# Altium PCB RCJ22_driverboard_2.PcbDoc (part 2 of 3) (continued)
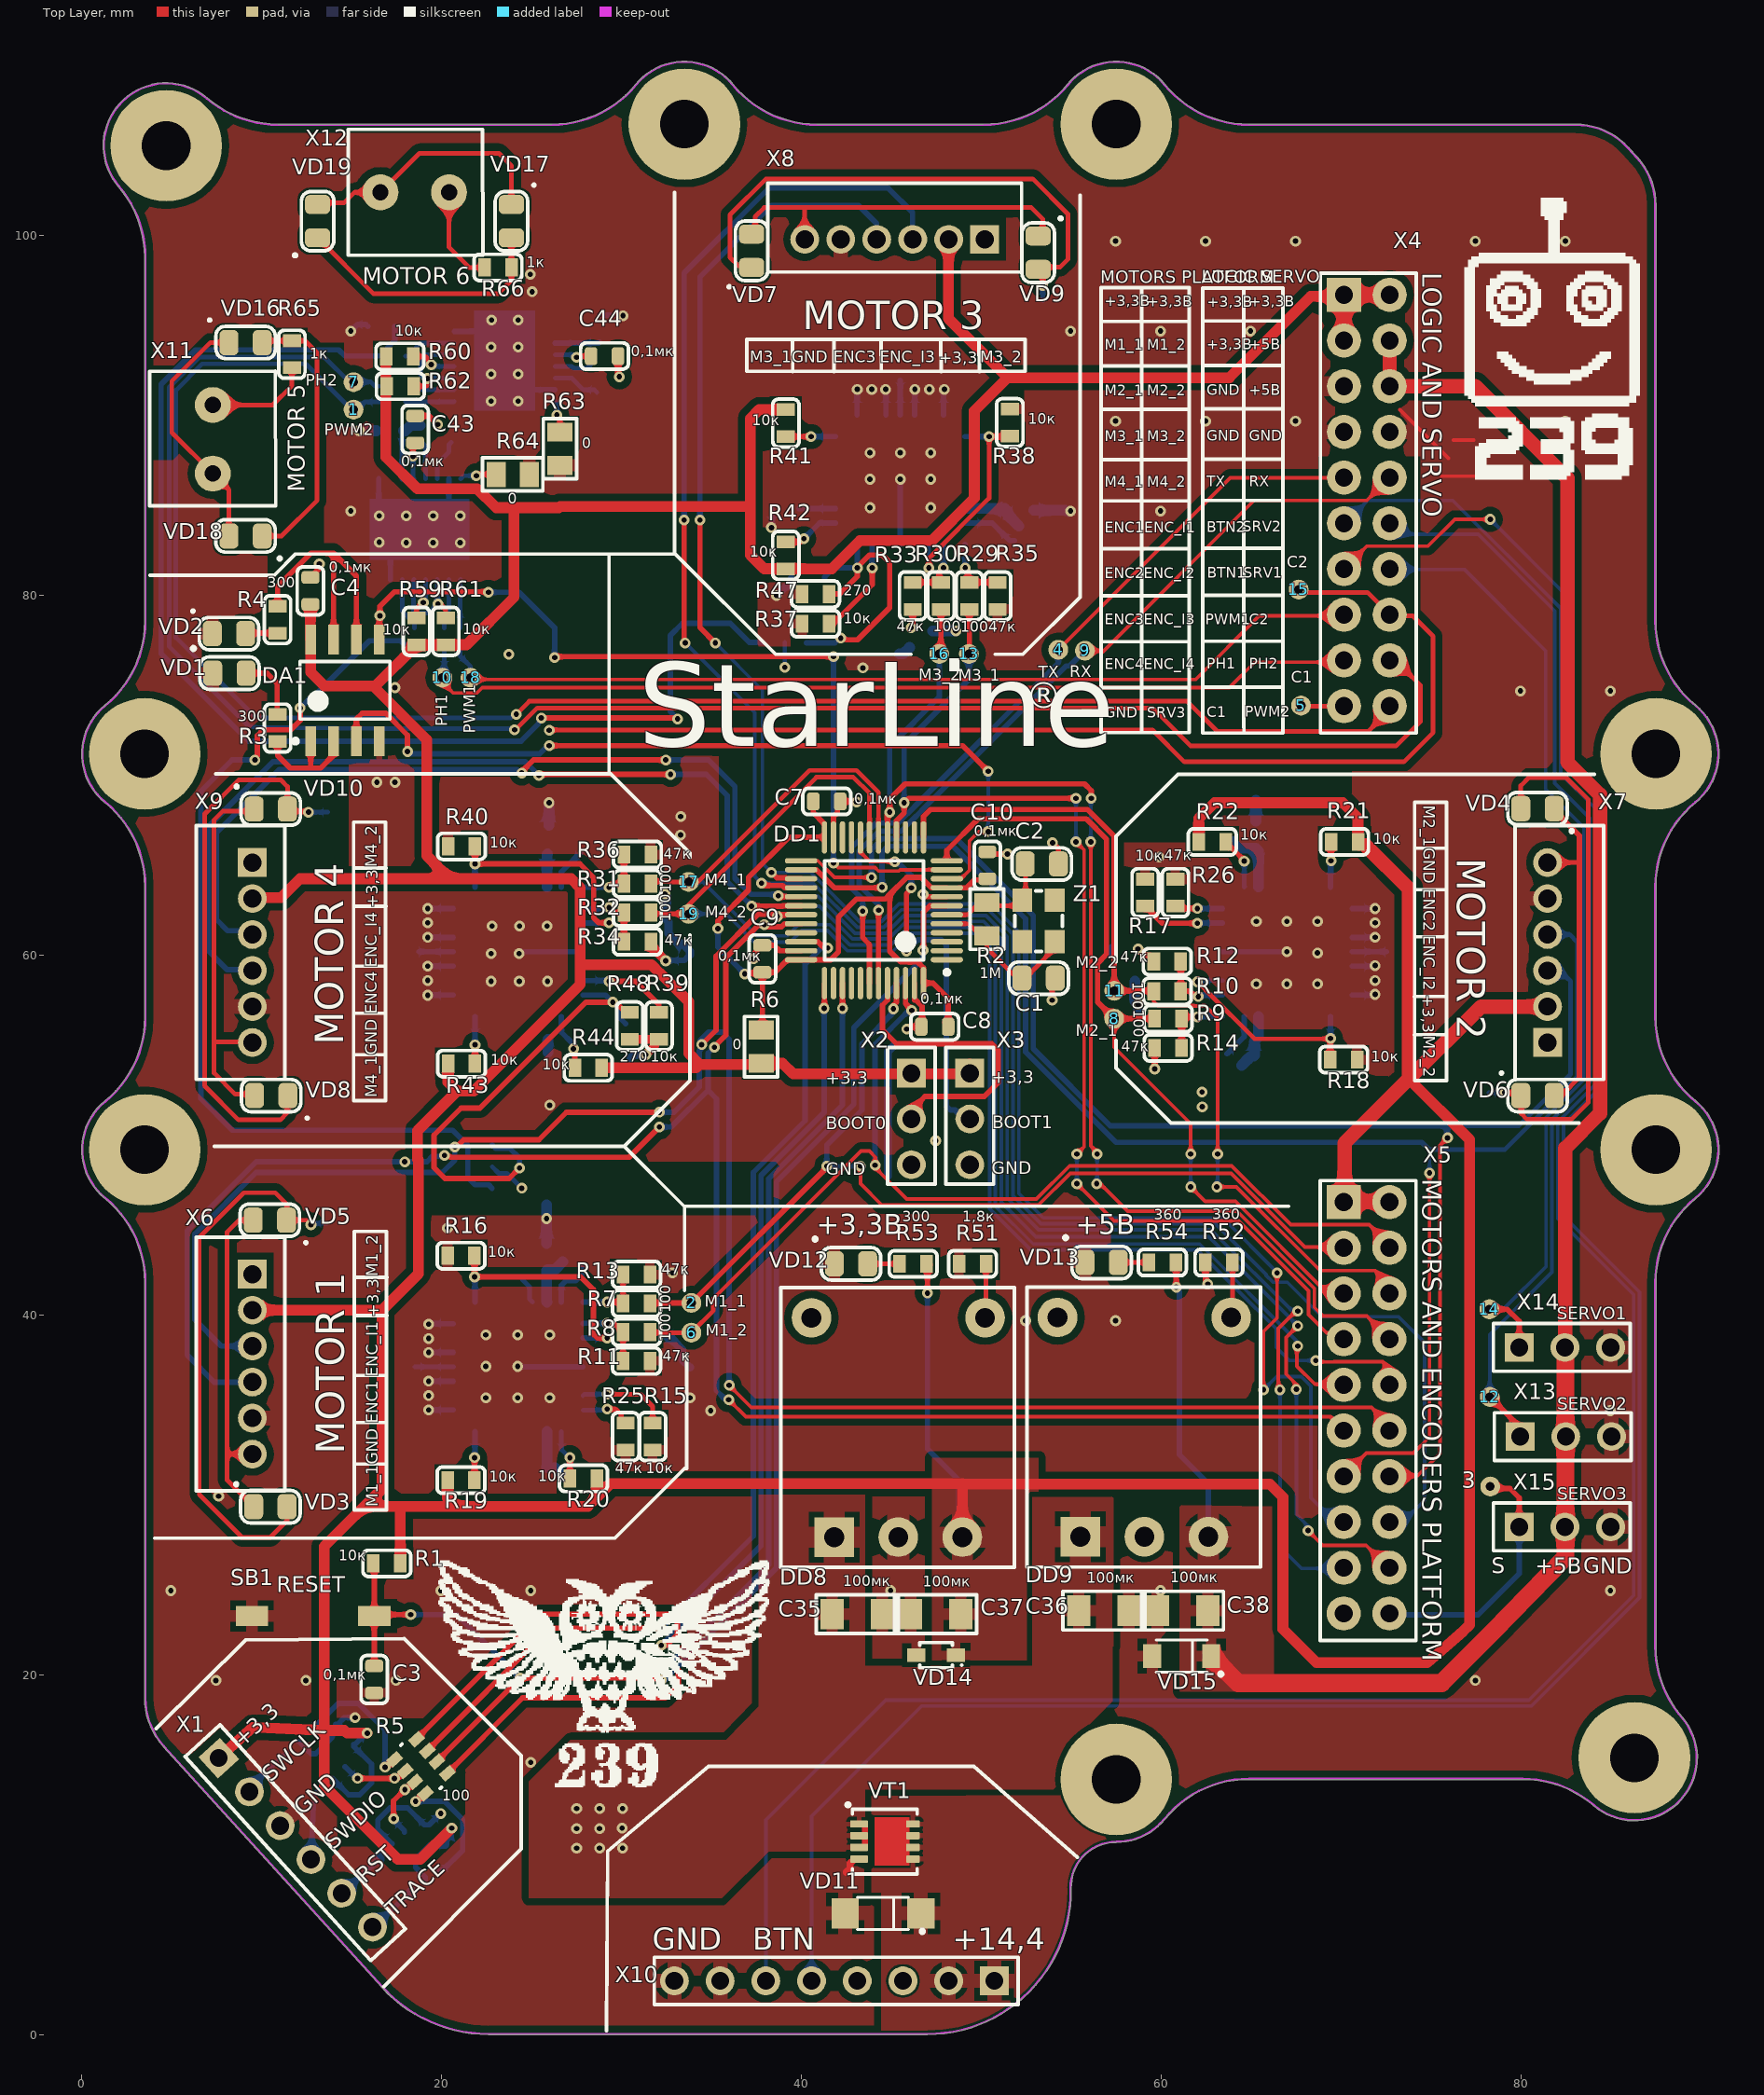
[diagram p0: Top Layer view]
## Nets (pads, with @x,y where several pads share a name; then routed paths per layer and width w, separated by ;. In a path a pad name is that pad's centre, name@x,y a point inside that pad or via, vN(x,y) a via of type N, cw(c..) or ccw(c..) an arc to the next point about the centre after c; other vN are vias at no path point) (continued)
  Top Layer w0.3: DD1.17@44.8,66.55 44.8,67.825 v1(44.925,67.95) 44.925,68.675 45.775,69.525 55.75,69.525 56.125,69.15 v1(56.125,68.725) ; 16.1@47.675,76.75 47.775,76.85 R30.1@47.775,79.225
  Bottom Layer w0.2: v1(56.1,66.3) 56.1,68.7 v1(56.125,68.725) ; v1@56.425,47.25 56.45,47.275 v1(56.45,48.95)
  Bottom Layer w0.3: v1(44.925,67.95) 44.925,71.6 47.675,74.35 16.1@47.675,76.75
  other v1: 56.425,47.3
MCU_MOTOR4_ENC: DD1.29 X5.17 X9.3 | length 113
  Top Layer w0.2: v1@66.525,35.825 66.525,39.25 67.5,40.225 v1(67.603,40.225)
  Top Layer w0.3: v1(24.475,70.125) 24.475,70.2 25.128,70.853 v1(32.477,70.853) ; v1(38.727,63.303) 38.727,63.323 38.8,63.25 DD1.29@40,63.25
  Bottom Layer w0.2: v1(38.727,63.303) 40.91,63.303 42.988,61.225 44.729,61.225 45.707,62.203 50.276,62.203 51.45,61.029 51.45,46.5 53.2,44.75 62.775,44.75 v1@67.5,40.025 ; v1(66.613,35.85) 66.613,27.112 67.805,25.92 X5.17@70.15,25.92
  Bottom Layer w0.3: X9.3@9.39,61.192 9.214,61.368 8.123,61.368 7.491,62 7.491,66.803 11.012,70.325 24.194,70.325 24.394,70.125 v1(24.475,70.125) ; v1(32.477,70.853) 34.847,70.853 36.325,69.375 36.325,64.268 37.215,63.378 38.652,63.378 v1(38.727,63.303)
MCU_MOTOR4_ENC_INT: DD1.30 X5.18 X9.4 | length 117.2
  Top Layer w0.2: v1(67.525,35.875) 67.525,36.15 66.95,36.725 66.95,38.749 v1(67.603,39.402) ; v1(68.175,28.025) 68.99,27.21 71.4,27.21 X5.18@72.69,25.92
  Top Layer w0.3: v1@25.475,70.05 v1(32.75,70.05) ; v1(37.247,62.73) 37.254,62.737 38.479,62.737 38.489,62.728 38.965,62.728 38.975,62.738 ; 38.976,62.737 38.988,62.75 DD1.30@40,62.75
  Bottom Layer w0.2: v1(37.247,62.73) 37.249,62.728 41.024,62.728 42.852,60.9 44.863,60.9 45.841,61.878 50.141,61.878 51.125,60.894 51.125,46.275 53.05,44.35 62.655,44.35 v1(67.603,39.402) ; v1(67.525,35.875) 67.525,28.925 68.175,28.275 v1(68.175,28.025)
  Bottom Layer w0.3: X9.4@9.39,59.192 8.108,59.192 7.066,60.234 7.066,67.166 10.65,70.75 24.675,70.75 v1(25.425,70) ; v1(32.75,70.05) 34.725,70.05 35.9,68.875 35.9,64.092 37.039,62.953 37.097,62.953 37.25,62.8 v1@37.25,62.725
MCU_MOTOR4_IN1: 17.1 DD1.18 R31.1 X5.9 | length 77
  Top Layer w0.2: v1@67.55,38.275 67.55,37.16 68.55,36.16 X5.9@70.15,36.16
  Top Layer w0.254: R31.1@31.65,63.983 31.779,64.112 32.654,64.112 32.691,64.075 17.1@33.75,64.075 34.275,64.075 40.475,70.275 43.075,70.275 44.3,69.05 DD1.18@44.3,66.55
  Bottom Layer w0.2: 17.1@33.75,64.075 34.55,64.075 37.55,61.075 39.233,61.075 39.858,61.7 41.592,61.7 42.717,60.575 44.998,60.575 45.976,61.553 50.007,61.553 50.8,60.76 50.8,46.05 52.9,43.95 62.153,43.95 67.527,38.577 67.527,38.298 v1@67.55,38.275
  other v1: 67.603,38.275
MCU_MOTOR4_IN2: 19.1 DD1.19 R32.1 X5.10 | length 79.3
  Top Layer w0.2: v1(68.6,37.475) 68.675,37.4 69.622,37.4 69.632,37.41 72.313,37.41 X5.10@72.69,37.033
  Top Layer w0.254: R32.1@31.65,62.367 31.717,62.3 19.1@33.75,62.3 33.75,62.8 40.846,69.896 42.904,69.896 43.8,69 DD1.19@43.8,66.55 ; X5.10@72.69,36.16 X5.10@72.69,37.033
  Bottom Layer w0.2: 19.1@33.75,62.3 35.827,62.3 37.404,60.723 39.379,60.723 40.031,61.375 41.457,61.375 42.582,60.25 45.133,60.25 46.111,61.228 49.872,61.228 50.475,60.625 50.475,45.915 52.765,43.625 62.019,43.625 64.209,41.434 66.4,39.244 66.4,38.208 67.133,37.475 v1(68.6,37.475)
MCU_RST: C3.2 DD1.7 R1.1 R5.6 SB1.1 | length 80.1
  Top Layer w0.3: R1.1@16.225,26.2 16.275,26.15 SB1.1@16.275,23.35 ; C3.2@16.275,20.5 SB1.1@16.275,23.35 ; v1(18.3,23.35) SB1.1@16.275,23.35 ; R5.6@19.625,15.066 v1(24.384,19.825) 32.125,19.825 v1(32.225,19.725) ; v1(46.775,60.275) 46.8,60.3 46.8,62.4 47.15,62.75 DD1.7@48.1,62.75
  Bottom Layer w0.3: v1(18.3,23.35) 20.859,23.35 v1(24.384,19.825) ; v1@32.275,19.725 32.4,19.725 38.625,25.95 38.625,47.407 42.925,51.707 42.925,55.975 46.602,59.652 46.6,59.655 46.775,59.83 v1(46.775,60.275)
MCU_SWCLK: DD1.37 R5.8 | length 60.1
  Top Layer w0.3: R5.8@18.498,16.306 18.498,16.323 25.55,23.375 32.725,23.375 33.125,22.975 33.125,22.25 32.517,21.642 v1(32.225,21.642) ; v1@41.3,57.05 DD1.37@41.3,58.425
  Bottom Layer w0.3: v1(32.225,21.642) 37.775,27.192 37.775,47.759 41.275,51.259 v1(41.275,57.05)
MCU_SWDIO: DD1.34 R5.7 | length 59.5
  Top Layer w0.3: R5.7@19.087,15.658 26.028,22.6 v1(32.225,22.6) ; DD1.34@40,60.75 40.93,60.75 41.28,60.4 v1(41.477,60.4)
  Bottom Layer w0.3: v1(32.225,22.6) 37.35,27.725 37.35,47.935 40.225,50.81 40.225,59.5 41.125,60.4 v1(41.477,60.4)
MCU_TRACESWO: DD1.39 R5.5 | length 59.2
  Top Layer w0.3: R5.5@20.214,14.419 24.52,18.725 32.45,18.725 33.175,19.45 33.175,20.275 32.767,20.683 v1(32.225,20.683) ; v1(42.3,57.05) DD1.39@42.3,58.45
  Bottom Layer w0.3: v1@32.275,20.608 32.682,20.608 38.2,26.126 38.2,47.583 42.3,51.683 v1(42.3,57.05)
MCU_UART1_MAIN_RX: 9.1 DD1.43 X4.10 | length 46.5
  Top Layer w0.2: 9.1@55.775,76.923 56.727,76.923 56.775,76.875 65.175,85.275 71.44,85.275 X4.10@72.69,86.525
  Top Layer w0.3: DD1.43@44.3,58.45 44.3,62.674 44.307,62.667 v1(44.307,62.5)
  Bottom Layer w0.3: v1(44.307,62.5) 44.307,62.812 43.229,63.889 43.229,65.805 44.324,66.9 45.551,66.9 46.126,67.475 46.139,67.475 46.725,68.061 46.725,68.074 54.726,76.075 54.927,76.075 9.1@55.775,76.923 9.1@55.775,76.623
MCU_UART1_MAIN_TX: 4.1 DD1.42 X4.9 | length 44.2
  Top Layer w0.2: 4.1@54.292,76.975 63.842,86.525 X4.9@70.15,86.525
  Top Layer w0.3: v1(43.425,62.45) 43.425,60.98 43.775,60.63 43.775,60.587 43.8,60.562 DD1.42@43.8,58.45
  Bottom Layer w0.3: v1(43.425,62.45) 43.425,63.092 42.804,63.713 42.804,65.981 43.561,66.739 44.148,67.325 44.225,67.325 44.25,67.35 45.4,67.35 45.95,67.9 45.963,67.9 46.3,68.237 46.3,68.25 53.825,75.775 54.292,76.242 4.1@54.292,76.975
MOTOR1_1: DD4.12 DD4.13 DD4.14 DD4.15 VD3.1 VD5.2 X6.6 | length 19
  Top Layer w0.254: X6.6@9.525,32.275 8.1,32.275 ; VD5.2@9.55,45.275 8.75,45.275 8.1,44.625 8.1,32.275 ; VD3.1@9.577,29.35 8.1,30.827 8.1,32.275
MOTOR1_2: DD4.27 DD4.28 DD4.29 DD4.30 R27.1 X6.1 | length 1.5
  Bottom Layer w0.254: 24.484,41.996 24.902,41.578 24.902,40.898 DD4.30@25.075,40.725
MOTOR2_1: DD5.12 DD5.13 DD5.14 DD5.15 VD4.1 VD6.2 X7.6 | length 19.1
  Top Layer w0.254: X7.6@81.538,65.15 83.175,65.15 83.25,65.225 ; VD6.2@81.85,52.25 82.3,52.25 83.25,53.2
  Top Layer w0.3: VD4.1@81.75,68.15 83.25,66.65 83.25,65.225 83.25,53.2
MOTOR2_2: DD5.27 DD5.28 DD5.29 DD5.30 R28.1 X7.1
MOTOR3_1: DD6.12 DD6.13 DD6.14 DD6.15 VD7.2 VD9.1 X8.6 | length 19.9
  Top Layer w0.254: VD7.2@37.45,100.175 37.45,101.05 37.95,101.55 40.2,101.55 ; X8.6@40.192,99.763 40.192,101.542 40.2,101.55 ; VD9.1@53.425,100.125 53.425,100.925 52.8,101.55 40.2,101.55
MOTOR3_2: DD6.27 DD6.28 DD6.29 DD6.30 R49.1 X8.1
MOTOR4_1: DD7.12 DD7.13 DD7.14 DD7.15 VD8.2 VD10.1 X9.6 | length 21.3
  Top Layer w0.254: X9.6@9.39,55.192 7.442,55.192 7.375,55.125 ; VD8.2@9.602,52.302 9.6,52.3 9.575,52.275 8.55,52.275 7.375,53.45 7.375,55.125 ; VD10.1@9.602,68 7.85,68 7.375,67.525 7.375,55.125
MOTOR4_2: DD7.27 DD7.28 DD7.29 DD7.30 R50.1 X9.1
Net*1_3: *1.3 C46.2 DD7.8 R48.2 | length 26.8
  Top Layer w0.3: v1(24.35,48.176) 23.772,47.598 20.201,47.598 19.598,48.201 19.598,50.003 21.1,51.505 22.149,51.505 28.036,57.392 v1(29.536,57.392) ; v1@29.61,57.465 30.25,56.825 R48.2@30.475,56.825
  Bottom Layer w0.3: *1.3@22.84,49.45 23.016,49.274 23.8,49.274 24.35,48.724 v1(24.35,48.176) ; DD7.8@27.875,57.792 29.136,57.792 v1(29.536,57.392) 29.936,56.991 29.936,56.499 C46.2@30.243,56.192
Net*_3: *.3 C45.2 DD6.8 R47.2 | length 16.2
  Top Layer w0.3: R47.2@41.55,80.075 42.15,80.075 43.125,81.05 v1(43.125,81.525) 43.125,81.575 43.8,82.25 44.506,82.25 44.925,81.831 44.925,79.316 43.134,77.525 42.516,77.525 42.472,77.569 42.26,77.569 v1(42.202,77.626)
  Bottom Layer w0.3: *.3@40.294,77.366 41.877,77.366 42.137,77.626 v1(42.202,77.626) ; C45.2@41.309,80.913 41.309,81.027 41.676,81.394 41.79,81.394 41.921,81.525 v1(43.125,81.525) 43.125,82.812 DD6.8@43.112,82.825
NetC1_1: C1.1 DD1.5 R2.2 Z1.1 | length 9
  Top Layer w0.254: DD1.5@48.1,61.75 49.3,61.75 49.8,61.25 50.325,61.25 50.325,60.4 52,58.725 52.45,58.725 Z1.1@54.1,60.375 ; Z1.1@54.1,60.225 Z1.1@54.1,60.375 ; Z1.1@54.1,60.75 Z1.1@54.1,60.375 ; Z1.1@54.163,60.437 Z1.1@54.1,60.375
NetC2_1: C2.1 DD1.6 R2.1 Z1.2 | length 6.6
  Top Layer w0.254: DD1.6@48.1,62.25 49.25,62.25 49.75,62.75 50.325,62.75 52,62.75 Z1.2@52.3,63.05 52.475,63.225 C2.1@52.475,65.075
NetC7_2: C7.2 C8.2 C9.2 C10.2 DD1.9 DD1.24 DD1.36 DD1.48 R6.1 | length 43.6
  Top Layer w0.3: v1(35.375,61.485) 35.375,61.92 37.075,63.62 37.075,64.325 39.3,66.55 DD1.24@41.3,66.55 41.3,67.3 40.675,67.925 C7.2@40.675,68.55 ; v1(36.863,58.962) 36.906,59.006 37.806,59.006 C9.2@37.85,59.05 ; R6.1@37.85,55.6 C9.2@37.85,59.05 ; C8.2@47.975,56.275 48.175,56.475 48.175,57.612 47.337,58.45 DD1.48@46.8,58.45 46.8,59.301 46.476,59.625 46.124,59.625 46.116,59.617 45.984,59.617 45.976,59.625 45.525,59.625 44.925,60.225 44.925,63.378 ; DD1.9@48.1,63.75 47.241,63.75 46.663,64.328 45.875,64.328 44.925,63.378 ; DD1.9@48.775,63.75 49.2,63.75 49.633,64.183 50.283,64.183 C10.2@50.35,64.25 ; C9.2@37.85,59.05 38.55,59.05 39.25,59.75 DD1.36@40,59.75 41.64,59.75 42.075,60.185 42.075,62.133 43.067,63.125 44.672,63.125 44.925,63.378
  Bottom Layer w0.3: v1(35.375,61.485) 35.375,60.45 v1(36.863,58.962)
NetC21_1: C21.1 DD4.32 | length 2.8
  Bottom Layer w0.3: DD4.32@26.675,40.725 26.675,41.65 26.925,41.9 27.475,41.9 27.825,42.25 C21.1@27.825,42.7
NetC22_1: C22.1 DD5.32 | length 2.5
  Bottom Layer w0.3: C22.1@63.675,54.525 64.625,55.475 DD5.32@64.625,56.592
NetC33_1: C33.1 DD6.32 | length 3.1
  Bottom Layer w0.3: DD6.32@49.112,84.025 50.618,84.025 51.593,83.05 C33.1@51.85,83.05
NetC34_1: C34.1 DD7.32 | length 2.4
  Bottom Layer w0.3: DD7.32@26.675,63.792 26.675,64.625 C34.1@27.8,65.75
NetC39_1: C39.1 DD10.14 | length 2.3
  Bottom Layer w0.254: DD10.14@19.775,86.475 19.775,87.325 20.425,87.975 20.425,88.375 C39.1@20.55,88.5
NetC39_2: C39.2 DD10.13 | length 2.1
  Bottom Layer w0.254: C39.2@18.925,88.5 19.125,88.3 DD10.13@19.125,86.475
NetC40_1: C40.1 DD11.14 | length 2.7
  Bottom Layer w0.254: DD11.14@26.325,92.075 27.25,92.075 27.9,91.425 28.505,91.425 C40.1@28.65,91.28
NetC40_2: C40.2 DD11.13 | length 2.5
  Bottom Layer w0.254: DD11.13@26.325,92.725 27.244,92.725 27.296,92.673 27.321,92.673 27.371,92.623 28.098,92.623 C40.2@28.55,93.075
NetC43_1: C43.1 DD10.12 | length 2.2
  Top Layer w0.254: v1(18.426,87.729) 18.426,88.334 18.558,88.467 C43.1@18.55,88.475
  Bottom Layer w0.254: DD10.12@18.475,86.475 18.426,86.524 v1(18.426,87.729) 18.426,87.699 v1@18.523,87.602
NetC44_1: C44.1 DD11.12 | length 2.1
  Top Layer w0.254: v1@27.6,93.175 27.725,93.3 C44.1@28.325,93.3
  Bottom Layer w0.254: DD11.12@26.325,93.375 27.4,93.375 v1@27.6,93.175
  other v1: 27.525,93.225
NetDD2_1: DD2.1 X1.2 | length 3.1
  Bottom Layer w0.3: X1.2@9.353,13.807 DD2.1@11.386,15.656
  Bottom Layer w0.6: X1.2@9.339,13.504 X1.2@9.353,13.807
NetDD2_3: DD2.3 R5.1 | length 8.3
  Top Layer w0.3: v1(16.875,14.875) 16.98,14.875 R5.1@17.536,15.431
  Bottom Layer w0.3: DD2.3@12.791,16.935 14.276,18.42 15.393,18.42 16.875,16.937 v1(16.875,14.875)
NetDD2_4: DD2.4 R5.2 | length 4
  Top Layer w0.3: v1(15.348,14.25) v1(17.4,14.25) 17.591,14.25 R5.2@18.125,14.784
  Bottom Layer w0.3: DD2.4@14.642,14.9 14.663,14.9 15.313,14.25 v1(15.348,14.25)
NetDD2_6: DD2.6 X1.4 | length 4
  Bottom Layer w0.3: X1.4@12.757,9.746 12.927,13.341 DD2.6@13.236,13.622
NetDD3_1: DD3.1 X1.5 | length 3
  Bottom Layer w0.3: X1.5@14.466,7.867 DD3.1@16.539,9.753
  Bottom Layer w0.6: DD3.1@16.539,9.753 DD3.1@16.55,9.979
NetDD3_3: DD3.3 R5.3 | length 3.8
  Top Layer w0.3: v1(17.356,12.008) 17.347,12.017 17.347,12.997 v1(17.975,13.625) 18.097,13.625 R5.3@18.663,14.192
  Bottom Layer w0.3: v1(17.356,12.008) 17.356,11.939 17.956,11.34 DD3.3@17.956,11.257
NetDD3_4: DD3.4 R5.4 | length 7.5
  Top Layer w0.3: v1(18.574,12.975) 18.619,12.975 19.188,13.544 R5.4@19.252,13.544
  Bottom Layer w0.3: v1(18.574,12.975) 20.18,12.975 21.185,11.97 21.185,10.249 20.105,9.169 19.86,9.169 DD3.4@19.806,9.223
NetDD3_6: DD3.6 X1.6 | length 3
  Bottom Layer w0.3: X1.6@16.175,5.988 DD3.6@18.33,7.948
  Bottom Layer w0.6: DD3.6@18.33,7.948 DD3.6@18.401,7.944
NetDD4_1: DD4.1 R7.2 R13.2 | length 3.8
  Top Layer w0.254: R7.2@30.1,40.7 R13.2@30.1,42.25
  Top Layer w0.3: v1@29.275,40.725 30.075,40.725 R7.2@30.1,40.7
  Bottom Layer w0.3: DD4.1@27.875,40.725 v1@29.275,40.725
  other v1: 29.225,40.725
NetDD4_2: DD4.2 R8.2 R11.2 | length 4
  Top Layer w0.254: v1(29.225,39.55) 29.6,39.55 R8.2@30.1,39.05 R11.2@30.1,37.45
  Bottom Layer w0.3: DD4.2@27.875,39.525 27.9,39.55 v1(29.225,39.55)
NetDD4_3: DD4.3 DD4.26 R16.2 | length 13.8
  Top Layer w0.3: R16.2@21.85,42.931 v1(21.85,42.125) 27.75,42.125 28.45,41.425 28.45,38.95 28.675,38.725 v1(29.225,38.725)
  Bottom Layer w0.3: v1(21.85,42.125) 21.875,42.1 DD4.26@21.875,40.725 ; DD4.3@27.875,38.725 v1(29.225,38.725)
NetDD4_7: DD4.7 R15.2 | length 5.1
  Top Layer w0.254: v1@29.25,35.6 31.075,35.6 31.75,34.925 R15.2@31.75,34
  Bottom Layer w0.254: DD4.7@27.875,35.525 27.95,35.6 v1@29.25,35.6
  other v1: 29.225,35.6
NetDD4_8: DD4.8 R25.2 | length 2.7
  Top Layer w0.254: v1(29.225,34.775) 29.7,34.775 30,34.475 R25.2@30,34
  Bottom Layer w0.254: DD4.8@27.875,34.725 29.175,34.725 v1(29.225,34.775)
NetDD4_10: DD4.10 R20.2 | length 2.9
  Top Layer w0.254: R20.2@27.15,30.825 v1@27.15,31.957
  Bottom Layer w0.254: DD4.10@26.675,33.525 26.675,32.518 27.15,32.043 v1@27.15,31.957
  other v1: 27.15,32.075
NetDD4_16: DD4.16 R19.2 | length 2.9
  Top Layer w0.3: R19.2@21.85,30.625 v1(21.85,32.075)
  Bottom Layer w0.3: v1(21.85,32.075) 21.875,32.1 DD4.16@21.875,33.525
NetDD4_21: DD4.21 R23.2 | length 2.1
  Bottom Layer w0.254: R23.2@18.525,37.125 DD4.21@20.675,37.125
NetDD5_1: DD5.1 R9.2 R14.2 | length 3.9
  Top Layer w0.3: R14.2@61.15,54.85 R9.2@61.15,56.475 61.25,56.575 v1(62.025,56.575)
  Bottom Layer w0.3: v1(62.025,56.575) 62.042,56.592 DD5.1@63.425,56.592
NetDD5_2: DD5.2 R10.2 R12.2 | length 4.2
  Top Layer w0.3: R12.2@61.1,59.65 R10.2@61.1,58 61.575,58 61.872,57.703 v1(62.078,57.703)
  Bottom Layer w0.3: v1(62.078,57.703) 62.078,57.772 62.058,57.792 DD5.2@63.425,57.792
NetDD5_3: DD5.3 DD5.26 R18.2 | length 12.5
  Top Layer w0.254: v1(62.025,58.525) 62.295,58.255 62.307,58.255 62.63,57.931 62.63,57.92 65.2,55.35 v1@69.4,55.35
  Top Layer w0.3: R18.2@69.4,54.2 v1@69.4,55.35
  Bottom Layer w0.254: v1(62.025,58.525) 62.092,58.592 DD5.3@63.425,58.592
  Bottom Layer w0.3: v1(69.425,55.375) DD5.26@69.425,56.592
NetDD5_7: DD5.7 R17.2 | length 4.7
  Top Layer w0.3: R17.2@59.125,62.725 60.075,61.775 v1(62.025,61.775)
  Bottom Layer w0.3: v1(62.025,61.775) 62.042,61.792 DD5.7@63.425,61.792
NetDD5_8: DD5.8 R26.2 | length 2.7
  Top Layer w0.3: R26.2@60.8,62.725 60.925,62.6 v1(62.025,62.6)
  Bottom Layer w0.3: v1(62.025,62.6) 62.033,62.592 DD5.8@63.425,62.592
NetDD5_10: DD5.10 R22.2 | length 3
  Top Layer w0.254: R22.2@63.6,66.3 64.65,65.25 v1(64.628,65.228)
  Bottom Layer w0.254: DD5.10@64.625,63.792 64.65,63.817 64.628,63.839 v1(64.628,65.228)
NetDD5_16: DD5.16 R21.2 | length 2.4
  Top Layer w0.3: v1@69.45,65.125 R21.2@69.45,66.15
  Bottom Layer w0.3: DD5.16@69.425,63.792 69.425,65.1 v1@69.45,65.125
  other v1: 69.45,65.25
NetDD5_21: DD5.21 R24.2 | length 1.9
  Bottom Layer w0.3: DD5.21@70.625,60.192 R24.2@72.525,60.192
NetDD6_1: DD6.1 R29.2 R35.2 | length 3.8
  Top Layer w0.3: v1(49.125,81.525) 49.275,81.375 49.275,80.725 R35.2@50.925,80.725
  Bottom Layer w0.3: DD6.1@49.112,82.825 49.125,82.812 v1(49.125,81.525)
NetDD6_2: DD6.2 R30.2 R33.2 | length 3.8
  Top Layer w0.3: R33.2@46.2,80.725 R30.2@47.625,80.725 ; R30.2@47.775,80.725 R30.2@47.625,80.725 ; v1(47.912,81.525) 47.675,81.288 47.675,80.775 R30.2@47.625,80.725
  Bottom Layer w0.3: v1(47.912,81.525) DD6.2@47.912,82.825
NetDD6_3: DD6.3 DD6.26 R38.2 | length 12.5
  Top Layer w0.254: v1(47.1,81.525) 47.1,82.05 50.45,85.4 v1(50.45,88.825)
  Top Layer w0.3: v1(50.45,88.825) 51.575,88.825 R38.2@51.6,88.85
  Bottom Layer w0.254: v1(47.1,81.525) 47.1,82.813 DD6.3@47.112,82.825
  Bottom Layer w0.3: DD6.26@49.112,88.825 v1(50.45,88.825)
NetDD6_7: DD6.7 R37.2 | length 5.5
  Top Layer w0.3: R37.2@41.55,78.425 41.775,78.425 43.95,80.6 v1(43.95,81.525)
  Bottom Layer w0.3: DD6.7@43.912,82.825 43.95,82.787 v1(43.95,81.525)
NetDD6_10: DD6.10 R42.2 | length 3.4
  Top Layer w0.3: R42.2@38.9,82.975 39.975,82.975 v1(40.15,83.15)
  Bottom Layer w0.3: v1(40.15,83.15) 41.025,84.025 DD6.10@41.912,84.025
NetDD6_16: DD6.16 R41.2 | length 2.7
  Top Layer w0.3: R41.2@39.225,88.825 v1(40.55,88.825)
  Bottom Layer w0.3: v1(40.55,88.825) DD6.16@41.912,88.825
NetDD6_21: DD6.21 R45.2 | length 1.9
  Bottom Layer w0.3: R45.2@45.5,91.95 45.512,91.938 DD6.21@45.512,90.025
NetDD7_1: DD7.1 R31.2 R36.2 | length 4
  Top Layer w0.3: v1(29.325,63.775) 29.533,63.983 R31.2@30.15,63.983 R36.2@30.15,65.6
  Bottom Layer w0.3: DD7.1@27.875,63.792 29.308,63.792 v1(29.325,63.775)
NetDD7_2: DD7.2 R32.2 R34.2 | length 4
  Top Layer w0.3: v1(29.325,62.65) 29.608,62.367 R32.2@30.15,62.367 R34.2@30.15,60.75
  Bottom Layer w0.3: DD7.2@27.875,62.592 29.267,62.592 v1(29.325,62.65)
NetDD7_3: DD7.3 DD7.26 R40.2 | length 13.8
  Top Layer w0.3: R40.2@21.875,66.05 v1(21.875,65.075) 27.7,65.075 28.475,64.3 28.475,62.075 28.75,61.8 v1(29.325,61.8)
  Bottom Layer w0.3: DD7.26@21.875,63.792 v1(21.875,65.075) ; DD7.3@27.875,61.792 29.317,61.792 v1(29.325,61.8)
NetDD7_7: DD7.7 R39.2 | length 5.2
  Top Layer w0.3: v1(29.325,58.55) 30.8,58.55 32.1,57.25 R39.2@32.1,56.825
  Bottom Layer w0.3: DD7.7@27.875,58.592 29.283,58.592 v1(29.325,58.55)
NetDD7_10: DD7.10 R44.2 | length 3.3
  Top Layer w0.3: v1@27.347,54.925 27.422,54.85 R44.2@27.422,53.45
  Bottom Layer w0.3: DD7.10@26.675,56.592 26.675,55.725 27.25,55.15 27.4,55.15
  other v1: 27.347,54.8
NetDD7_16: DD7.16 R43.2 | length 2.2
  Top Layer w0.3: R43.2@21.875,54.15 v1(21.875,55.025)
  Bottom Layer w0.3: v1@21.875,55.275 DD7.16@21.875,56.592
NetDD7_21: DD7.21 R46.2 | length 1.9
  Bottom Layer w0.3: R46.2@18.75,60.192 DD7.21@20.675,60.192
NetDD8_4: DD8.4 R51.2 | length 3
  Top Layer w0.254: DD8.4@50.225,39.85 50.275,39.9 R51.2@50.275,42.85
NetDD9_4: DD9.4 R52.2 | length 3
  Top Layer w0.254: DD9.4@63.9,39.87 63.975,39.945 R52.2@63.975,42.85
NetDD10_1: DD10.1 R57.8 | length 2.7
  Bottom Layer w0.254: R57.8@21.05,78.2 21.05,80.85 DD10.1@21.075,80.875
NetDD10_2: DD10.2 R57.7 | length 2.8
  Bottom Layer w0.254: R57.7@20.174,78.2 20.174,78.981 20.425,79.231 DD10.2@20.425,80.875
NetDD10_3: DD10.3 DD10.5 R61.1 | length 5.8
  Top Layer w0.254: v1@19.816,79.625 20.25,79.191 R61.1@20.25,78.75
  Bottom Layer w0.254: DD10.5@18.475,80.875 18.448,80.848 18.448,79.127 18.548,79.027 19.318,79.027 19.775,79.484 DD10.3@19.775,80.875
  other v1: 19.816,79.525
NetDD10_4: DD10.4 R59.1 | length 2.3
  Top Layer w0.254: R59.1@18.625,78.75 18.625,79.25 v1@19,79.625
  Bottom Layer w0.254: v1@19,79.625 19.125,79.75 DD10.4@19.125,80.875
  other v1: 19.001,79.604
NetDD10_6: DD10.6 R57.5 | length 3
  Bottom Layer w0.254: DD10.6@17.825,80.875 17.825,79.129 18.5,78.453 R57.5@18.5,78.201
NetDD10_8: DD10.8 VD16.1 VD18.2 X11.1 | length 14
  Top Layer w0.254: VD18.2@8.198,83.3 8.198,85.872 X11.1@7.3,86.77 5.025,89.045 5.025,91.9 7.175,94.05 VD16.1@8.2,94.05
NetDD10_10: DD10.10 R65.1 X11.2 | length 5.8
  Top Layer w0.254: X11.2@7.3,90.58 10.63,90.58 11.7,91.65 R65.1@11.7,92.65
NetDD10_16: DD10.16 R64.1 | length 2.1
  Top Layer w0.254: v1(21.95,86.65) 22.025,86.725 R64.1@23.05,86.725
  Bottom Layer w0.254: DD10.16@21.075,86.475 21.25,86.65 v1(21.95,86.65)
NetDD11_1: DD11.1 R58.8 | length 2.7
  Bottom Layer w0.254: R58.8@18.025,90.75 20.7,90.75 DD11.1@20.725,90.775
NetDD11_2: DD11.2 R58.7 | length 2.5
  Bottom Layer w0.254: R58.7@18.275,91.63 18.28,91.625 18.75,91.625 18.95,91.425 DD11.2@20.725,91.425
NetDD11_3: DD11.3 DD11.5 R62.1 | length 6.2
  Top Layer w0.254: R62.1@18.725,91.625 19.18,91.625 19.231,91.677 v1(19.231,92.05)
  Bottom Layer w0.254: 19.588,92.05 v1(19.231,92.05) ; 19.608,92.029 19.654,92.075 ; DD11.3@20.725,92.075 19.654,92.075 ; DD11.5@20.725,93.375 19.096,93.375 18.852,93.131 18.852,92.925 18.852,92.809 18.852,92.248 19.07,92.03 19.091,92.05 v1(19.231,92.05) ; v1(19.231,92.05) 19.256,92.075 19.654,92.075
NetDD11_4: DD11.4 R60.1 | length 3
  Top Layer w0.254: R60.1@18.7,93.275 19.13,93.275 19.53,92.875 19.43,92.775 19.357,92.849 19.404,92.896 19.477,92.823 v1@19.589,92.823
  Bottom Layer w0.254: v1@19.446,92.823 v1@19.589,92.823 ; v1@19.5,92.875 19.65,92.725 DD11.4@20.725,92.725
  other v1: 19.439,92.823
NetDD11_6: DD11.6 R58.5 | length 3.1
  Bottom Layer w0.254: R58.5@18.025,93.305 18.03,93.3 18.3,93.3 18.3,93.461 18.865,94.025 DD11.6@20.725,94.025
NetDD11_8: DD11.8 VD17.1 VD19.2 X12.1 | length 14.7
  Top Layer w0.254: VD19.2@13.125,101.475 13.475,101.825 14.6,101.825 15.175,102.4 X12.1@16.62,102.4 18.795,104.575 23.2,104.575 23.9,103.875 VD17.1@23.9,101.725 VD17.1@23.9,101.475
NetDD11_10: DD11.10 R66.1 X12.2 | length 5.5
  Top Layer w0.254: X12.2@20.43,102.4 20.43,99.345 21.55,98.225 R66.1@22.4,98.225
NetDD11_16: DD11.16 R63.1 | length 1.8
  Top Layer w0.254: v1(26.425,90.025) 26.6,89.85 R63.1@26.6,89.075
  Bottom Layer w0.254: DD11.16@26.325,90.775 26.425,90.675 v1(26.425,90.025)
NetR3_2: R3.2 VD1.2 | length 3.7
  Top Layer w0.3: VD1.2@9.15,75.675 10.325,75.675 10.881,75.119 10.881,73.394 R3.2@10.9,73.375
NetR4_2: R4.2 VD2.2 | length 1.8
  Top Layer w0.3: VD2.2@9.15,77.9 R4.2@10.9,77.9
  Top Layer w0.6: VD2.2@9.125,77.875 VD2.2@9.15,77.9
NetR27_2: R27.2 VD3.2 VD5.1 | length 30.7
  Top Layer w0.254: VD3.2@11.427,29.35 11.427,28.577 10.5,27.65 8.925,27.65 6.55,30.025 6.55,44.325 9.025,46.8 10.775,46.8 11.425,46.15 11.425,45.275 12.532,45.275 v1@12.757,45.05
  Bottom Layer w0.254: v1(12.757,45.025) 12.832,45.1 R27.2@13.65,45.1
NetR28_2: R28.2 VD4.2 VD6.1 | length 29.9
  Top Layer w0.254: v1(79.1,52.375) v1@79.175,52.3 ; v1@79.175,52.35 VD6.1@80.025,52.35 ; VD4.2@80,68.025 80,69.425 80.45,69.875 82.525,69.875 83.75,68.65 83.75,51.825 82.8,50.875 80.35,50.875 80.025,51.2 VD6.1@80.025,52.3
  Bottom Layer w0.254: R28.2@78.225,52.35 79.075,52.35 v1(79.1,52.375)
NetR49_2: R49.2 VD7.1 VD9.2 | length 30.4
  Top Layer w0.254: VD7.1@37.45,98.325 36.5,98.325 36.05,98.775 36.05,101.15 38.05,103.15 52.875,103.15 54.825,101.2 54.825,98.675 54.4,98.25 VD9.2@53.425,98.25 ; v1(53.425,97.225) VD9.2@53.425,98.25 ; VD9.2@53.425,98.275 VD9.2@53.425,98.25
  Bottom Layer w0.254: R49.2@53.425,96.375 v1(53.425,97.225)
NetR50_2: R50.2 VD8.1 VD10.2 | length 30.9
  Top Layer w0.254: VD8.1@11.45,52.3 11.45,51.25 11.05,50.85 8.735,50.85 6.85,52.735 6.85,67.85 8.75,69.75 11.075,69.75 11.452,69.373 11.452,68 12.575,68 v1(12.625,67.95)
  Bottom Layer w0.254: v1(12.625,67.95) R50.2@13.7,67.95
NetR53_1: R53.1 VD12.2 | length 1.8
  Top Layer w0.254: VD12.2@43.7,42.85 R53.1@45.475,42.85
NetR54_1: R54.1 VD13.2 | length 1.7
  Top Layer w0.254: VD13.2@57.625,42.925 R54.1@59.325,42.925
NetR65_2: R65.2 VD16.2 VD18.1 | length 15.4
  Top Layer w0.254: VD18.1@10.048,83.3 11.125,83.3 13.1,85.275 13.1,93.475 12.425,94.15 R65.2@11.7,94.15 10.15,94.15 VD16.2@10.05,94.05
NetR66_2: R66.2 VD17.2 VD19.1 | length 14.7
  Top Layer w0.254: VD19.1@13.125,99.875 16.225,96.775 23.175,96.775 23.9,97.5 R66.2@23.9,98.225 VD17.2@23.9,99.875
OUT1: DA1.1 DA1.2 R3.1 | length 6.8
  Top Layer w0.3: R3.1@10.9,71.875 10.9,71.1 11.6,70.4 12.65,70.4 ; DA1.1@12.745,71.9 12.745,70.495 12.65,70.4 ; DA1.2@14.015,71.9 14.015,71.115 13.3,70.4 12.65,70.4
OUT2: DA1.6 DA1.7 R4.1 | length 15.1
  Top Layer w0.3: R4.1@10.9,79.4 10.9,80.497 12.757,82.353 14.015,82.353 ; DA1.7@14.015,77.55 14.015,82.353 ; DA1.6@15.285,77.55 15.285,81.083 14.015,82.353
pads on no net: DD1.1 DD1.2 DD1.3 DD1.4 DD1.14 DD1.15 DD1.21 DD1.22 DD1.33 DD1.38 DD1.40 DD1.41 DD4.9 DD4.17 DD4.25 DD5.9 DD5.17 DD5.25 DD6.9 DD6.17 DD6.25 DD7.9 DD7.17 DD7.25 DD8.5 DD9.5 R57.3 R57.6 R58.3 R58.6 X10.3 X10.4 Z1.0